# Altium PCB Quadcopter.PcbDoc
Units mm, origin at the board's own origin, x right, y up, seen from the top; angles counter-clockwise.
Board outline 90 x 90 mm, 2 copper layers (Top Layer, Bottom Layer); 77 components, 61 nets, 285 pads, 85 vias.
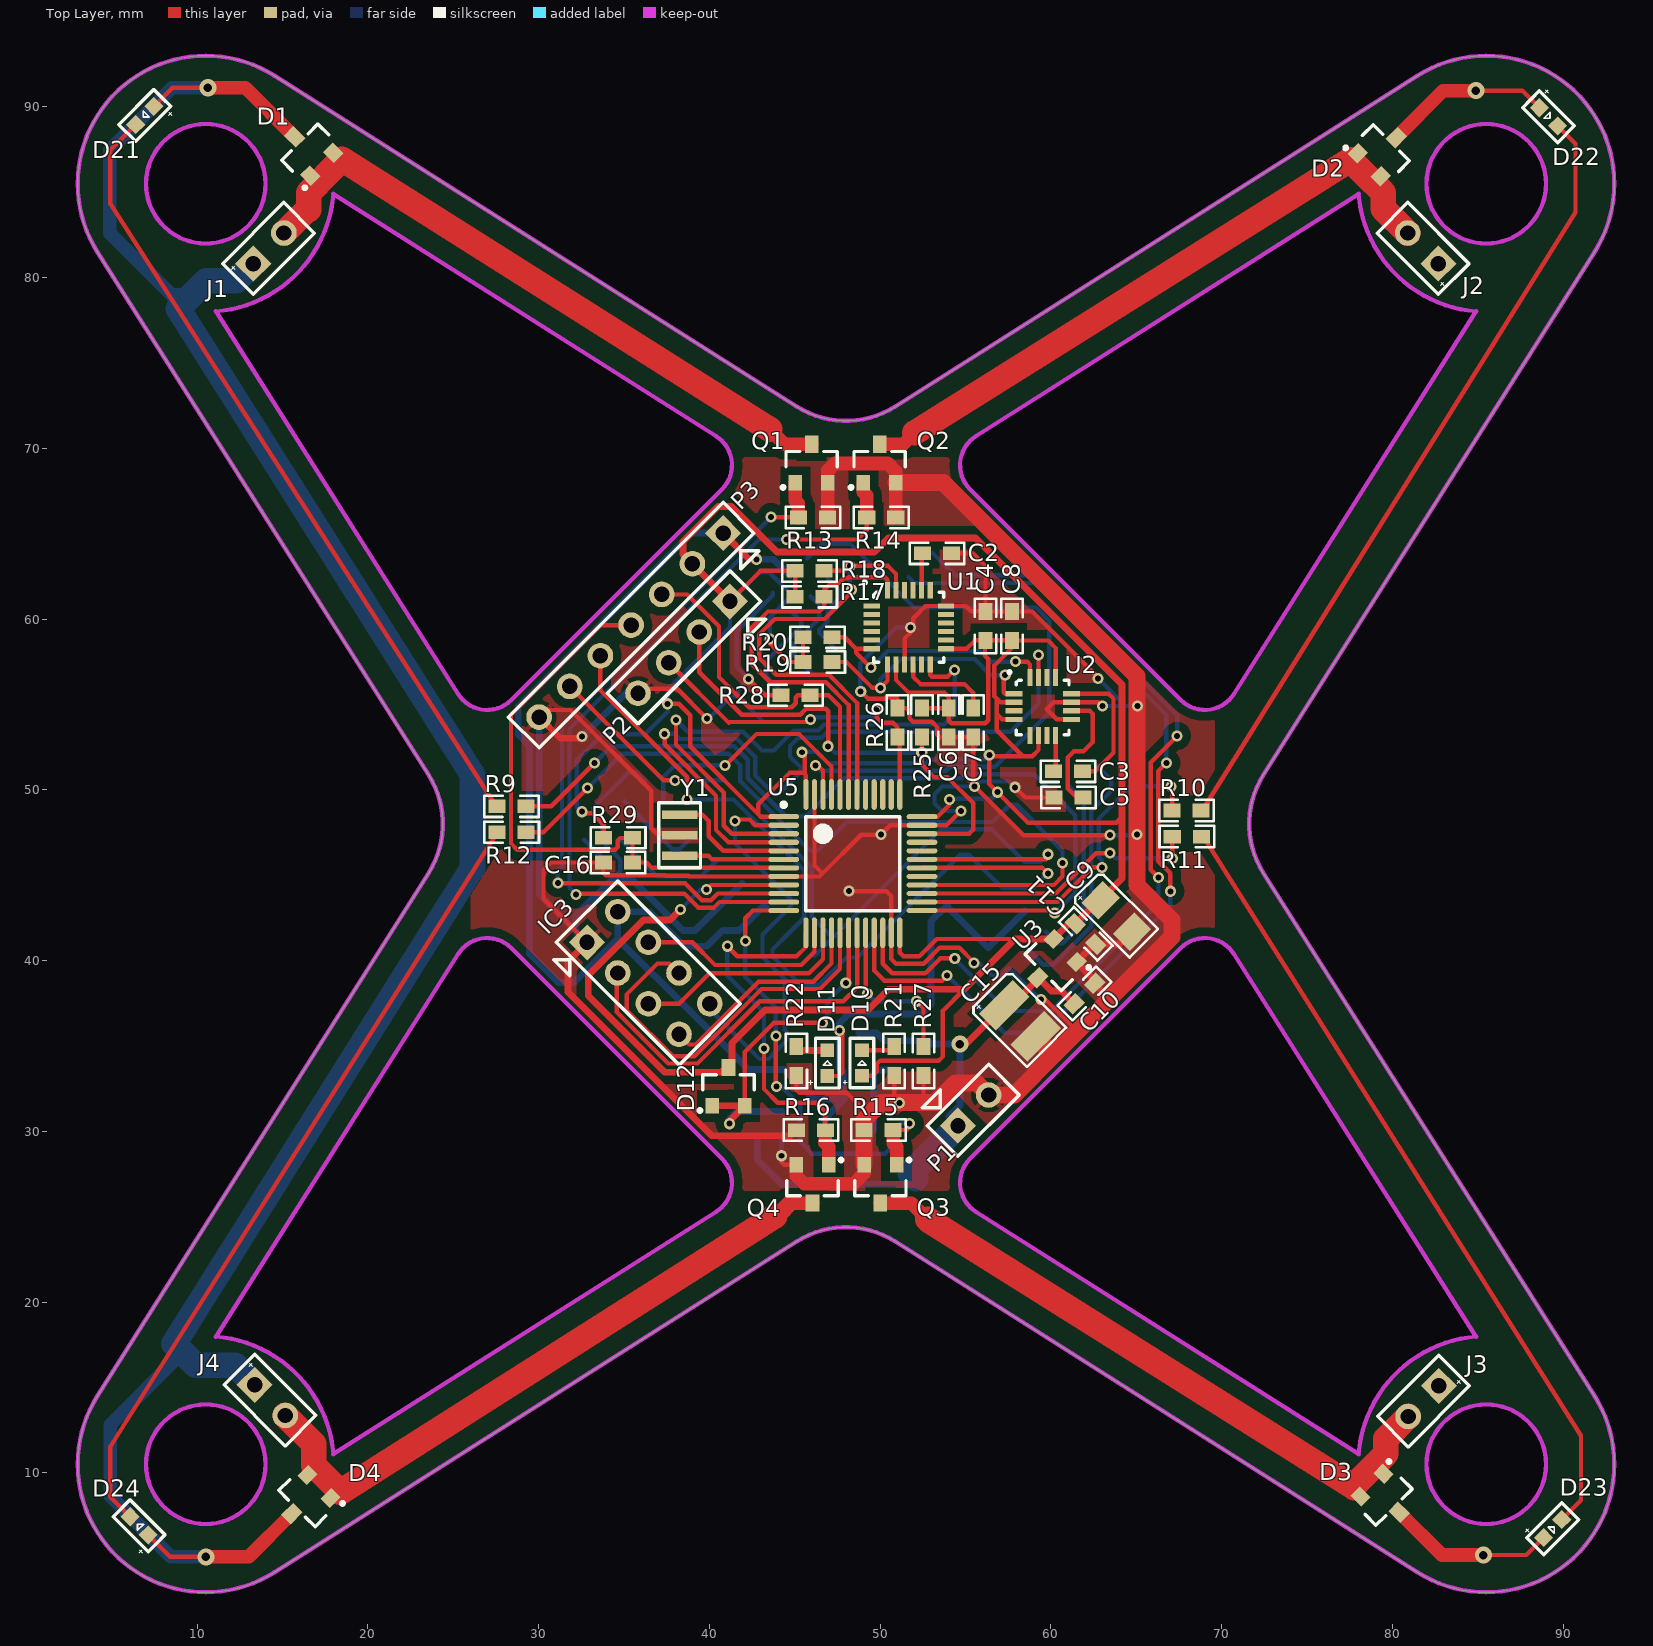
[diagram p0: Top Layer view]
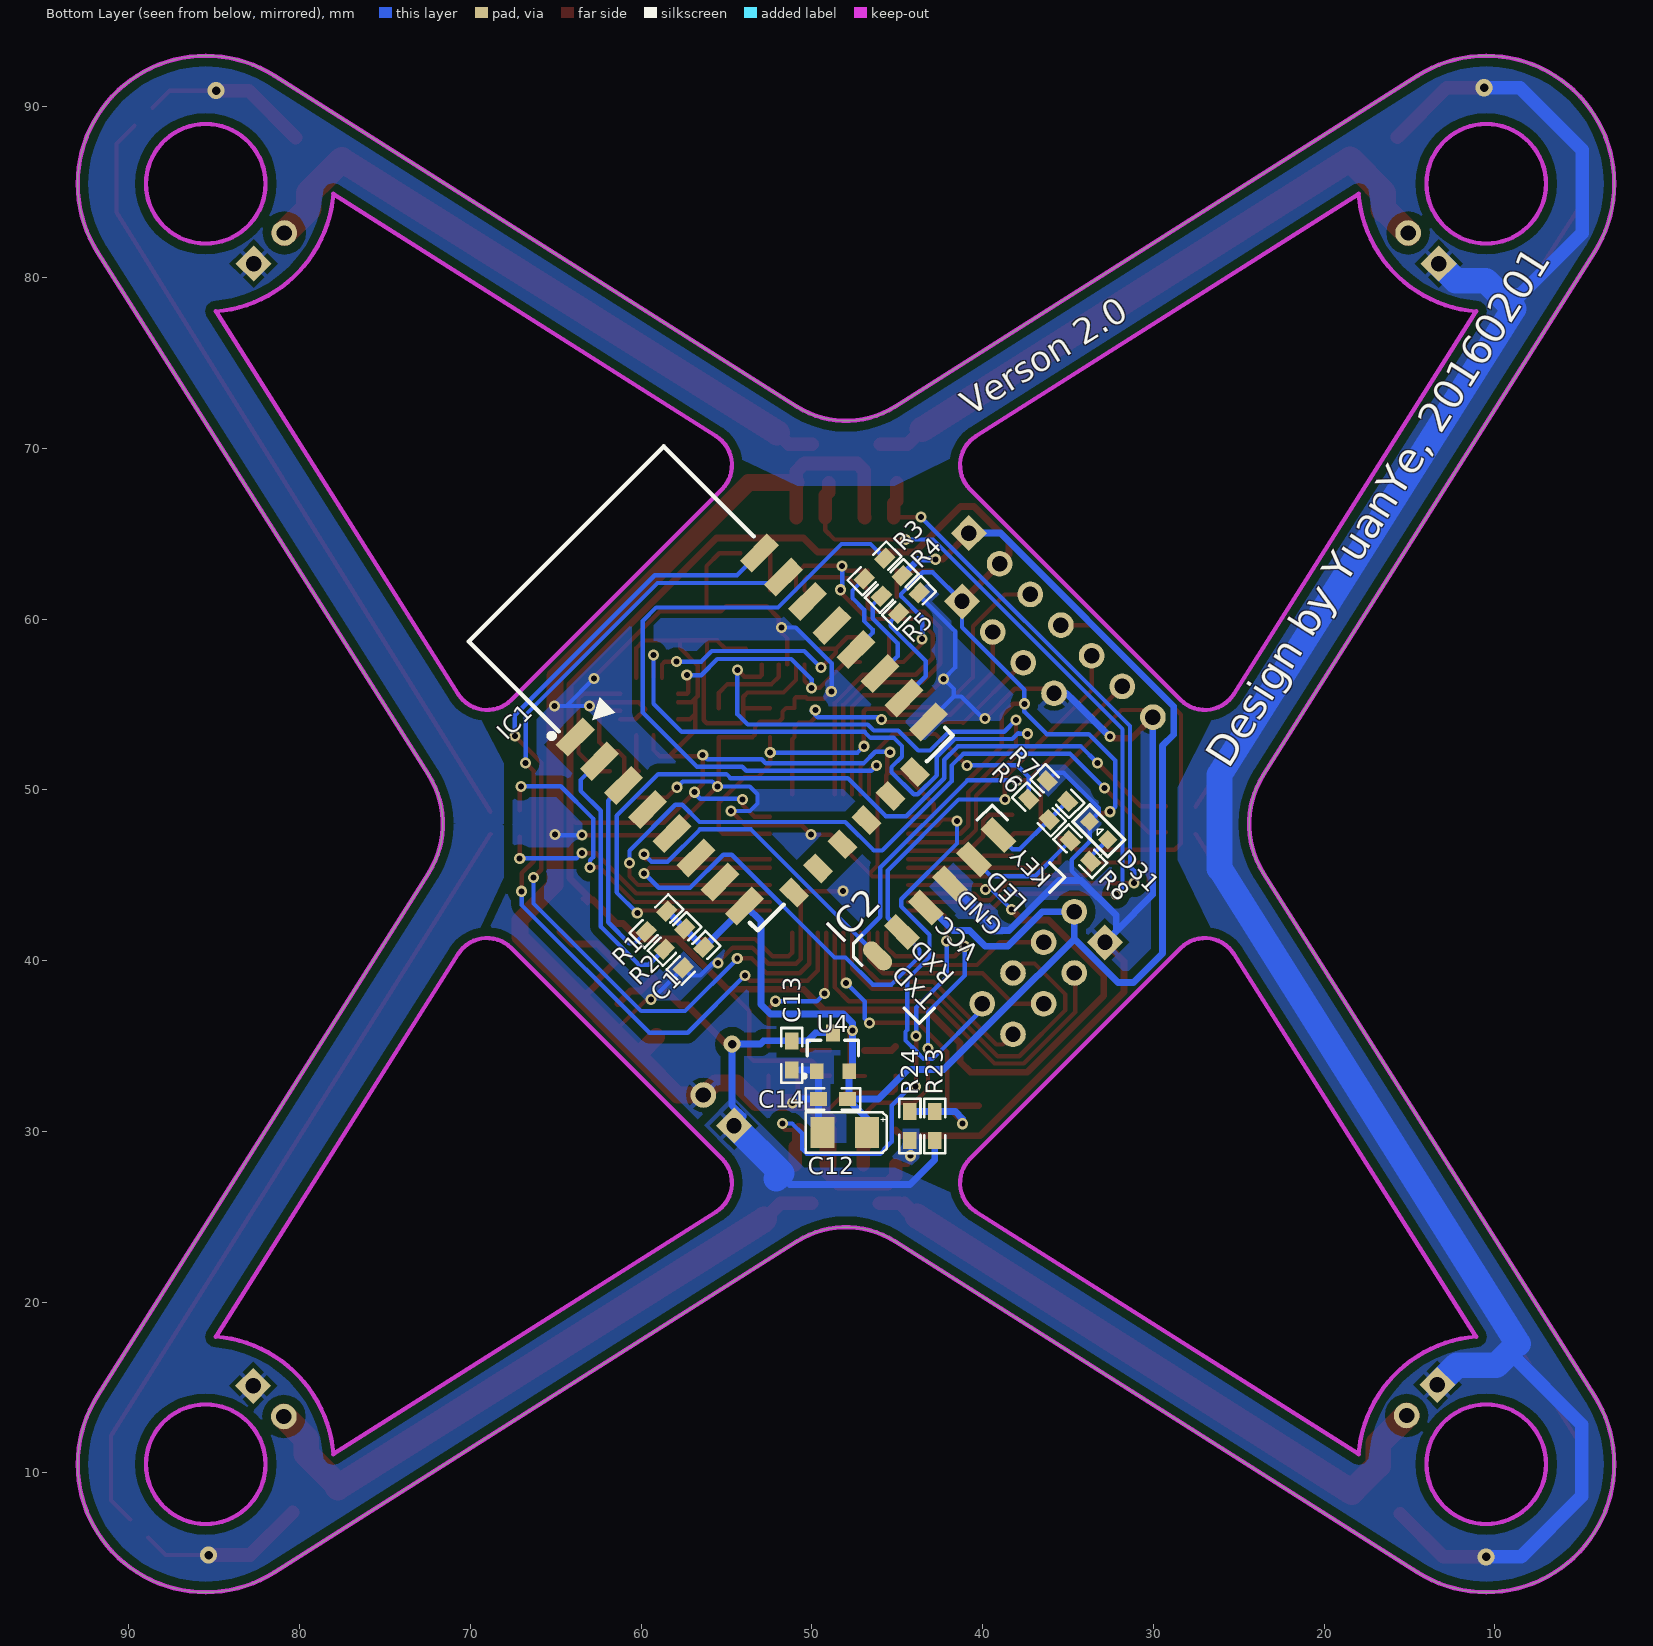
[diagram p1: Bottom Layer view, seen from below]

## Layer stack, top to bottom
Top Solder: solder mask 0.0102, Solder Resist, Dk 3.5
Top Layer: signal copper 0.0356
Dielectric 1: dielectric 0.32, FR-4, Dk 4.8
Bottom Layer: signal copper 0.0356
Bottom Solder: solder mask 0.0102, Solder Resist, Dk 3.5

## Board outline
4.164,14.513 ccw(c10.5,10.5) 14.513,4.164 45.131,23.555 cw(c48,19.024) 50.87,23.555 81.487,4.164 ccw(c85.5,10.5) 91.836,14.513 72.445,45.131 cw(c76.976,48) 72.445,50.87 91.836,81.487 ccw(c85.5,85.5) 81.487,91.836 50.87,72.445 cw(c48,76.976) 45.131,72.445 14.513,91.836 ccw(c10.5,85.5) 4.164,81.487 23.555,50.87 cw(c19.025,48) 23.555,45.131
cut-out: 17.977,11.092 40.393,25.289 ccw(c39.323,26.979) 40.737,28.393 28.393,40.737 ccw(c26.979,39.323) 25.29,40.393 11.093,17.977 cw(c10.5,10.5)
cut-out: 55.608,25.289 78.024,11.092 cw(c85.5,10.5) 84.908,17.977 70.711,40.393 ccw(c69.021,39.323) 67.607,40.737 55.263,28.393 ccw(c56.678,26.979)
cut-out: 55.263,67.607 67.607,55.263 ccw(c69.021,56.678) 70.711,55.607 84.908,78.024 cw(c85.5,85.5) 78.024,84.908 55.608,70.711 ccw(c56.678,69.021)
cut-out: 25.29,55.607 11.093,78.024 ccw(c10.5,85.5) 17.977,84.908 40.393,70.711 cw(c39.323,69.021) 40.737,67.607 28.393,55.263 cw(c26.979,56.678)
cut-out: 10.5,82 cw(c10.5,85.5) 7,85.5 cw(c10.5,85.5) 10.5,89 cw(c10.5,85.5) 14,85.5 cw(c10.5,85.5)
cut-out: 82,85.5 ccw(c85.5,85.5) 85.5,82 ccw(c85.5,85.5) 89,85.5 ccw(c85.5,85.5) 85.5,89 ccw(c85.5,85.5)
cut-out: 82.001,10.5 ccw(c85.501,10.5) 85.501,7 ccw(c85.501,10.5) 89.001,10.5 ccw(c85.501,10.5) 85.501,14 ccw(c85.501,10.5)
cut-out: 7.001,10.5 ccw(c10.501,10.5) 10.501,7 ccw(c10.501,10.5) 14.001,10.5 ccw(c10.501,10.5) 10.501,14 ccw(c10.501,10.5)

## Design rules (kind name [scope] priority, off if disabled: settings)
Clearance Pol_Clearance [InPolygon] p1: gap=0.5
Clearance [All] p2: gap=0.178
ComponentClearance [All] p1: gap=0 collisioncheckmode=3 verticalgap=0 showdistances=FALSE
HoleToHoleClearance [All] p1: gap=0 allowstackedmicrovias=TRUE
MinimumSolderMaskSliver [All] p1: minsoldermaskwidth=0.1
PolygonConnect PolygonConnect_2 [(IsPad  *  OnTop )   Or (IsPad  *  OnBottom )] p1: connectstyle=Direct reliefconductorwidth=0.254 reliefentries=4 polygonreliefangle="90 Angle" airgapwidth=0.254
PolygonConnect PolygonConnect_1 [IsVia] p2: connectstyle=Direct reliefconductorwidth=0.254 reliefentries=4 polygonreliefangle="90 Angle" airgapwidth=0.254
PolygonConnect [All] p3: connectstyle=Relief reliefconductorwidth=0.254 reliefentries=4 polygonreliefangle="90 Angle" airgapwidth=0.254
RoutingVias [All] p1: holewidth=0.35 width=0.65 viastyle="Through Hole" minholewidth=0.35 minwidth=0.65 maxholewidth=6 maxwidth=6
SilkToSilkClearance [All] p1: silktosilkclearance=0
SilkToSolderMaskClearance [IsPad] p1: minsilkscreentomaskgap=0 clearancetoexposedcopper=TRUE
SolderMaskExpansion [All] p1: expansion=0.102
Width Width_VBAT [InNet('VBAT')] p1: maxlimit=4 minlimit=0.254 preferedwidth=1
Width [All] p2: maxlimit=4 minlimit=0.254 preferedwidth=0.254
25 further rules are at their usual default settings.

## Classes and differential pairs
component class U_BlueTooth: D31 IC2 R6 R7 R8
component class U_Motor: D1 D2 D3 D4 D21 D22 D23 D24 J1 J2 J3 J4 Q1 Q2 Q3 Q4 R9 R10 R11 R12 R13 R14 R15 R16
component class U_MPU: C2 C3 C4 C5 C6 C7 C8 R17 R18 R19 R20 U1 U2
component class U_nRF24L01: IC3
component class U_Power: C9 C10 C11 C12 C13 C14 C15 D10 D11 D12 P1 R21 R22 R23 R24 U3 U4
component class U_STM32F103CBT6: C16 P2 P3 R25 R26 R27 R28 R29 U5 Y1
component class U_WiFi: C1 IC1 R1 R2 R3 R4 R5

## Components (designator, comment, footprint, x,y, rotation, side; value= is the part's Value field where it differs from the comment)
C1 "C0603" C0603 56.926,40.168 r135 bottom
C2 "Ceramic, X7R, 2.2nF ±10%, 50V" C0603 53.327,63.855 r180 top
C3 "C0603" C0603 60.997,51.085 r0 top
C4 "C0603" C0603 56.173,59.603 r270 top
C5 "C0603" C0603 61.03,49.553 r0 top
C6 "C0603" C0603 54.024,53.939 r90 top
C7 "C0603" C0603 55.448,53.939 r90 top
C8 "C0603" C0603 57.725,59.595 r270 top
C9 "Cap Ta" CAP_TA_A_CASE 63.831,42.62 r135 top
C10 "C0603" C0603 61.965,38.068 r45 top
C11 "C0603" C0603 62.037,41.568 r315 top
C12 "Cap Ta" CAP_TA_A_CASE 48.077,29.931 r180 bottom
C13 "C0603" C0603 51.179,34.451 r270 bottom
C14 "C0603" C0603 48.766,31.894 r0 bottom
C15 "Cap Ta" CAP_TA_B_CASE 58.192,36.475 r135 top
C16 "C0603" C0603 34.641,45.744 r0 top
D1 "BAT54C" SOT23-3 16.499,87.446 r135 top
D2 "BAT54C" SOT23-3 79.441,87.409 r45 top
D3 "BAT54C" SOT23-3 79.603,8.484 r315 top
D4 "BAT54C" SOT23-3 16.337,8.401 r225 top
D10 "LED" LED_0603 48.934,34.004 r90 top
D11 "LED" LED_0603 46.911,33.989 r90 top
D12 "BAT54C" SOT23-3 41.117,32.62 r90 top
D21 "LED" LED_0603 6.93,89.5 r225 top
D22 "LED" LED_0603 89.147,89.424 r315 top
D23 "LED" LED_0603 89.39,6.73 r45 top
D24 "LED" LED_0603 6.593,6.896 r135 top
D31 "LED" LED_0603 33.202,47.607 r45 bottom
IC1 "ESP8266 ESP-12-E" ESP_12_E 64.123,52.825 r135 bottom
IC2 "HC-06_PAD" HC-0X_PAD 46.148,40.272 r135 bottom
IC3 "nRF24L01_2X4PIN" nRF24L01_module 32.833,41.068 r315 top
J1 "motor bonding pad" Motor_Pin_Pad 13.282,80.821 r45 top
J2 "motor bonding pad" Motor_Pin_Pad 82.693,80.821 r135 top
J3 "motor bonding pad" Motor_Pin_Pad 82.72,15.092 r225 top
J4 "motor bonding pad" Motor_Pin_Pad 13.367,15.151 r315 top
P1 "Header 2" HDR1X2 54.557,30.331 r45 top
P2 "Header 4" HDR1X4 41.205,61.043 r225 top
P3 "Header 1X7" HDR1X7 40.8,65.039 r225 top
Q1 "SI2302" SOT23-3 45.987,69.117 r90 top
Q2 "SI2302" SOT23-3 49.969,69.117 r90 top
Q3 "SI2302" SOT23-3 50.013,26.92 r270 top
Q4 "SI2302" SOT23-3 46.036,26.92 r270 top
R1 "R0603" R0603 59.102,42.302 r135 bottom
R2 "R0603" R0603 58.04,41.27 r135 bottom
R3 "R0603" R0603 46.332,62.966 r315 bottom
R4 "R0603" R0603 45.32,61.946 r315 bottom
R5 "R0603" R0603 44.309,60.941 r135 bottom
R6 "R0603" R0603 36.696,48.853 r45 bottom
R7 "R0603" R0603 35.617,49.928 r45 bottom
R8 "R0603" R0603 34.273,46.408 r45 bottom
R9 "R0603" R0603 28.406,49.034 r180 top
R10 "R0603" R0603 67.953,48.792 r0 top
R11 "R0603" R0603 67.961,47.26 r0 top
R12 "R0603" R0603 28.418,47.517 r180 top
R13 "R0603" R0603 46.059,65.95 r180 top
R14 "R0603" R0603 50.065,65.95 r180 top
R15 "R0603" R0603 49.912,30.078 r0 top
R16 "R0603" R0603 45.942,30.069 r0 top
R17 "R0603" R0603 45.873,61.306 r180 top
R18 "R0603" R0603 45.861,62.825 r180 top
R19 "R0603" R0603 46.342,57.488 r180 top
R20 "R0603" R0603 46.328,58.934 r180 top
R21 "R0603" R0603 50.819,34.123 r90 top
R22 "R0603" R0603 45.091,34.123 r90 top
R23 "R0603" r0603 42.801,30.303 r270 bottom
R24 "R0603" r0603 44.262,30.308 r90 bottom
R25 "R0603" R0603 52.448,53.941 r90 top
R26 "R0603" R0603 51.015,53.943 r270 top
R27 "R0603" R0603 52.544,34.116 r90 top
R28 "R0603" R0603 45.048,55.54 r180 top
R29 "R0603" R0603 34.655,47.192 r0 top
U1 "MPU6050" "24 Lead QFN" 49.28,57.835 r0 top locked
U2 "HMC5983" "16 Lead QFN 2" 57.88,55.621 r0 top locked
U3 "ME6206A33" SOT23-3 60.039,39.795 r225 top
U4 "ME6206A33" SOT23-3 48.766,34.633 r90 bottom
U5 "STM32F103CBT6" LQFP48_N 48.402,45.679 r0 top locked
Y1 "CSTCE8M00G52Z" X8MCSTCR 38.259,47.336 r270 top

## Footprints (in the part's own frame and the unit in brackets; to place one, negate y for a bottom-side part, rotate by r counter-clockwise, add the part's x,y. Pads: shape width x height; smd on the part's side, far side on the other; paste and mask are expansions set on the pad)
"16 Lead QFN 2" [mm]
  rect 1x0.3 smd: 1(-0.042,0.011) 2(-0.042,-0.489) 3(-0.042,-0.989) 4(-0.042,-1.489) 9(3.34,-1.489) 10(3.34,-0.989) 11(3.34,-0.489) 12(3.34,0.011)
  rect 0.3x1 smd: 5(0.899,-2.43) 6(1.399,-2.43) 7(1.899,-2.43) 8(2.399,-2.43) 13(2.399,0.952) 14(1.899,0.952) 15(1.399,0.952) 16(0.899,0.952)
  silkscreen extent -0.35,-2.4 3.18,1.32, body extent 0.13,-2.41 3.17,0.76, height 0.9
"24 Lead QFN" [mm]
  rect 0.95x0.3 smd: 1(0.228,2.932) 2(0.228,2.432) 3(0.228,1.932) 4(0.228,1.432) 5(0.228,0.932) 6(0.228,0.432) 13(4.578,0.432) 14(4.578,0.932) 15(4.578,1.432) 16(4.578,1.932) 17(4.578,2.432) 18(4.578,2.932)
  rect 0.3x0.95 smd: 7(1.153,-0.493) 8(1.653,-0.493) 9(2.153,-0.493) 10(2.653,-0.493) 11(3.153,-0.493) 12(3.653,-0.493) 19(3.653,3.857) 20(3.153,3.857) 21(2.653,3.857) 22(2.153,3.857) 23(1.653,3.857) 24(1.153,3.857)
  silkscreen extent -0.23,-0.37 4.45,4.37, body extent 0.38,-0.38 4.44,3.68, height 0.89
C0603 [mm]
  rect 1x0.8 smd: 1(-0.85,0) 2(0.85,0)
  silkscreen extent -1.6,-0.63 1.6,0.63, body extent -0.79,-0.38 0.79,0.38, height 0.8
CAP_TA_A_CASE [mm]
  rect 1.4x1.8 smd: 1(1.3,0) 2(-1.3,0)
  silkscreen extent -2.28,-1.17 2.47,1.18, body extent -1.7,-0.9 1.7,0.9, height 1.7
CAP_TA_B_CASE [mm]
  rect 1.4x2.8 smd: 1(1.3,0) 2(-1.3,0)
  silkscreen extent -2.2,-1.63 2.5,1.62, body extent -1.77,-1.38 1.89,1.42, height 1.95
ESP_12_E [mm] "ESP-12 Wi-Fi Module by AI-Thinker"
  rect 2.25x1 smd: 1(0.375,0) 2(0.375,-2) 3(0.375,-4) 4(0.375,-6) 5(0.375,-8) 6(0.375,-10) 7(0.375,-12) 8(0.375,-14) 15(15.625,-14) 16(15.625,-12) 17(15.625,-10) 18(15.625,-8) 19(15.625,-6) 20(15.625,-4) 21(15.625,-2) 22(15.625,0)
  rect 1x1.5 smd: 9(3,-15.5) 10(5,-15.5) 11(7,-15.5) 12(9,-15.5) 13(11,-15.5) 14(13,-15.5)
  silkscreen extent -0.7,-15.57 16.08,8.37, body extent 0,-15.49 16,8.51, height 2.75
HC-0X_PAD [mm]
  oval 1x2 smd: 1(0,0)
  rect 1x2 smd: 2(2,0) 12(4,0) 13(6,0) 24(8,0) 26(10,0)
  silkscreen extent -1.06,-4.5 11,1.5
HDR1X2 [mm] "Connector; Header; 2 Position"
  rect 1.5x1.5 hole 0.9: 1(0,0)
  round 1.5 hole 0.9: 2(2.54,0)
  silkscreen extent -1.27,-1.27 3.81,2.22
HDR1X4 [mm] "Connector; Header; 4 Position"
  rect 1.5x1.5 hole 0.9: 1(0,0)
  round 1.5 hole 0.9: 2(2.54,0) 3(5.08,0) 4(7.62,0)
  silkscreen extent -1.27,-1.27 8.89,2.23
HDR1X7 [mm] "Connector; Header; 7 Position"
  rect 1.5x1.5 hole 0.9: 1(0,0)
  round 1.5 hole 0.9: 2(2.54,0) 3(5.08,0) 4(7.62,0) 5(10.16,0) 6(12.7,0) 7(15.24,0)
  silkscreen extent -1.27,-1.27 16.51,2.23
LED_0603 [mm]
  rect 0.8x0.8 smd: 1(-0.75,0) 2(0.75,0)
  silkscreen extent -1.45,-0.7 1.45,1.1, body extent -0.8,-0.4 0.8,0.4, height 0.7
LQFP48_N [mm] "Thin QFP, 48-Leads, Body 7x7mm, Pitch 0.5mm, IPC Medium Density"
  oval 1.8x0.3 smd: 1(-4.05,2.75) 2(-4.05,2.25) 3(-4.05,1.75) 4(-4.05,1.25) 5(-4.05,0.75) 6(-4.05,0.25) 7(-4.05,-0.25) 8(-4.05,-0.75) 9(-4.05,-1.25) 10(-4.05,-1.75) 11(-4.05,-2.25) 12(-4.05,-2.75) 25(4.05,-2.75) 26(4.05,-2.25) 27(4.05,-1.75) 28(4.05,-1.25) 29(4.05,-0.75) 30(4.05,-0.25) 31(4.05,0.25) 32(4.05,0.75) 33(4.05,1.25) 34(4.05,1.75) 35(4.05,2.25) 36(4.05,2.75)
  oval 0.3x1.8 smd: 13(-2.75,-4.05) 14(-2.25,-4.05) 15(-1.75,-4.05) 16(-1.25,-4.05) 17(-0.75,-4.05) 18(-0.25,-4.05) 19(0.25,-4.05) 20(0.75,-4.05) 21(1.25,-4.05) 22(1.75,-4.05) 23(2.25,-4.05) 24(2.75,-4.05) 37(2.75,4.05) 38(2.25,4.05) 39(1.75,4.05) 40(1.25,4.05) 41(0.75,4.05) 42(0.25,4.05) 43(-0.25,4.05) 44(-0.75,4.05) 45(-1.25,4.05) 46(-1.75,4.05) 47(-2.25,4.05) 48(-2.75,4.05)
  silkscreen extent -4.17,-2.75 2.75,3.57, body extent -3.5,-3.5 3.5,3.5, height 1.6
Motor_Pin_Pad [mm] "Connector; Header; 2 Position"
  rect 1.5x1.5 hole 0.9: 1(0,0)
  round 1.5 hole 0.9: 2(2.54,0)
  silkscreen extent -1.27,-1.27 3.8,1.27
nRF24L01_module [mm] "nRF24L01_module"
  rect 1.5x1.5 hole 0.9: 1(0,0)
  round 1.5 hole 0.9: 2(0,2.54) 3(2.54,0) 4(2.54,2.54) 5(5.08,0) 6(5.08,2.54) 7(7.62,0) 8(7.62,2.54)
  silkscreen extent -1.27,-2.1 8.89,3.81, body extent -1.57,-1.68 13.43,27.32, height 15
R0603 [mm]
  rect 1x0.8 smd: 1(-0.85,0) 2(0.85,0)
  silkscreen extent -1.6,-0.63 1.6,0.63, body extent -0.79,-0.38 0.79,0.38, height 0.4
r0603 [mm]
  rect 1x0.8 smd: 1(-0.85,0) 2(0.85,0)
  silkscreen extent -1.6,-0.62 1.6,0.63, body extent -0.79,-0.38 0.79,0.38, height 0.4
SOT23-3 [mm] "SOT23, 3-Leads, Body 2.9x1.3mm, Pitch 0.95mm, Lead Span 2.3mm - Reverse Pinning, IPC Medium Density"
  rect 0.9x0.8 smd: 1(-1.125,0.95) 2(-1.125,-0.95)
  rect 1x0.8 smd: 3(1.125,0)
  silkscreen extent -1.5,-1.5 0.7,1.77, body extent -1.4,-1.45 1.4,1.45, height 1.3
X8MCSTCR [mm]
  rect 0.5x2.1 smd: 1(-1.2,0) 2(0,0) 3(1.2,0)
  silkscreen extent -1.9,-1.22 1.9,1.22, body extent -1.75,-0.65 1.75,0.65, height 0.7

## Part data
C1 C2 C3 C4 C5 C6 C7 C8 C10 C11 C13 C14 C16: library part Cap, "Capacitor (Semiconductor SIM Model)"
C9 C12 C15: library part "Cap Tantalum", "Polarized Capacitor (Surface Mount)"
D10 D11 D21 D22 D23 D24 D31: "Typical INFRARED GaAs LED"
IC3: library part nRF24L01_MOD_2X4
J1 J2 J3 J4: library part Joint_Motor
P1: "Header, 2-Pin"
P2: "Header, 4-Pin"
P3: "Header, 7-Pin"
Q1 Q2 Q3 Q4: "N-Channel MOSFET"
R1 R2 R3 R4 R5 R6 R7 R8 R9 R10 R11 R12 R13 R14 R15 R16 R17 R18 R19 R20 R21 R22 R23 R24 R25 R26 R27 R28 R29: library part Res3, "Resistor"
U1: "MPU6050, 24pin"
U2: "HMC5983, 16pin"
U3 U4: library part ME6206, "ME6206A33, SOT23"
U5: "STM32 ARM-based 32-bit MCU with 128 Kbytes Flash, 48-pin LQFP, Industrial Temperature"
Y1: "Crystal Oscillator, 3rd In-Line Lead Version"

## Via types
v1: diameter 0.65, hole 0.35, Top Layer to Bottom Layer, 80 vias
v2: diameter 1, hole 0.5, Top Layer to Bottom Layer, 5 vias
